# KiCad board SparkFun_RTK_Facet_mosaic_panelized.kicad_pcb (continued)
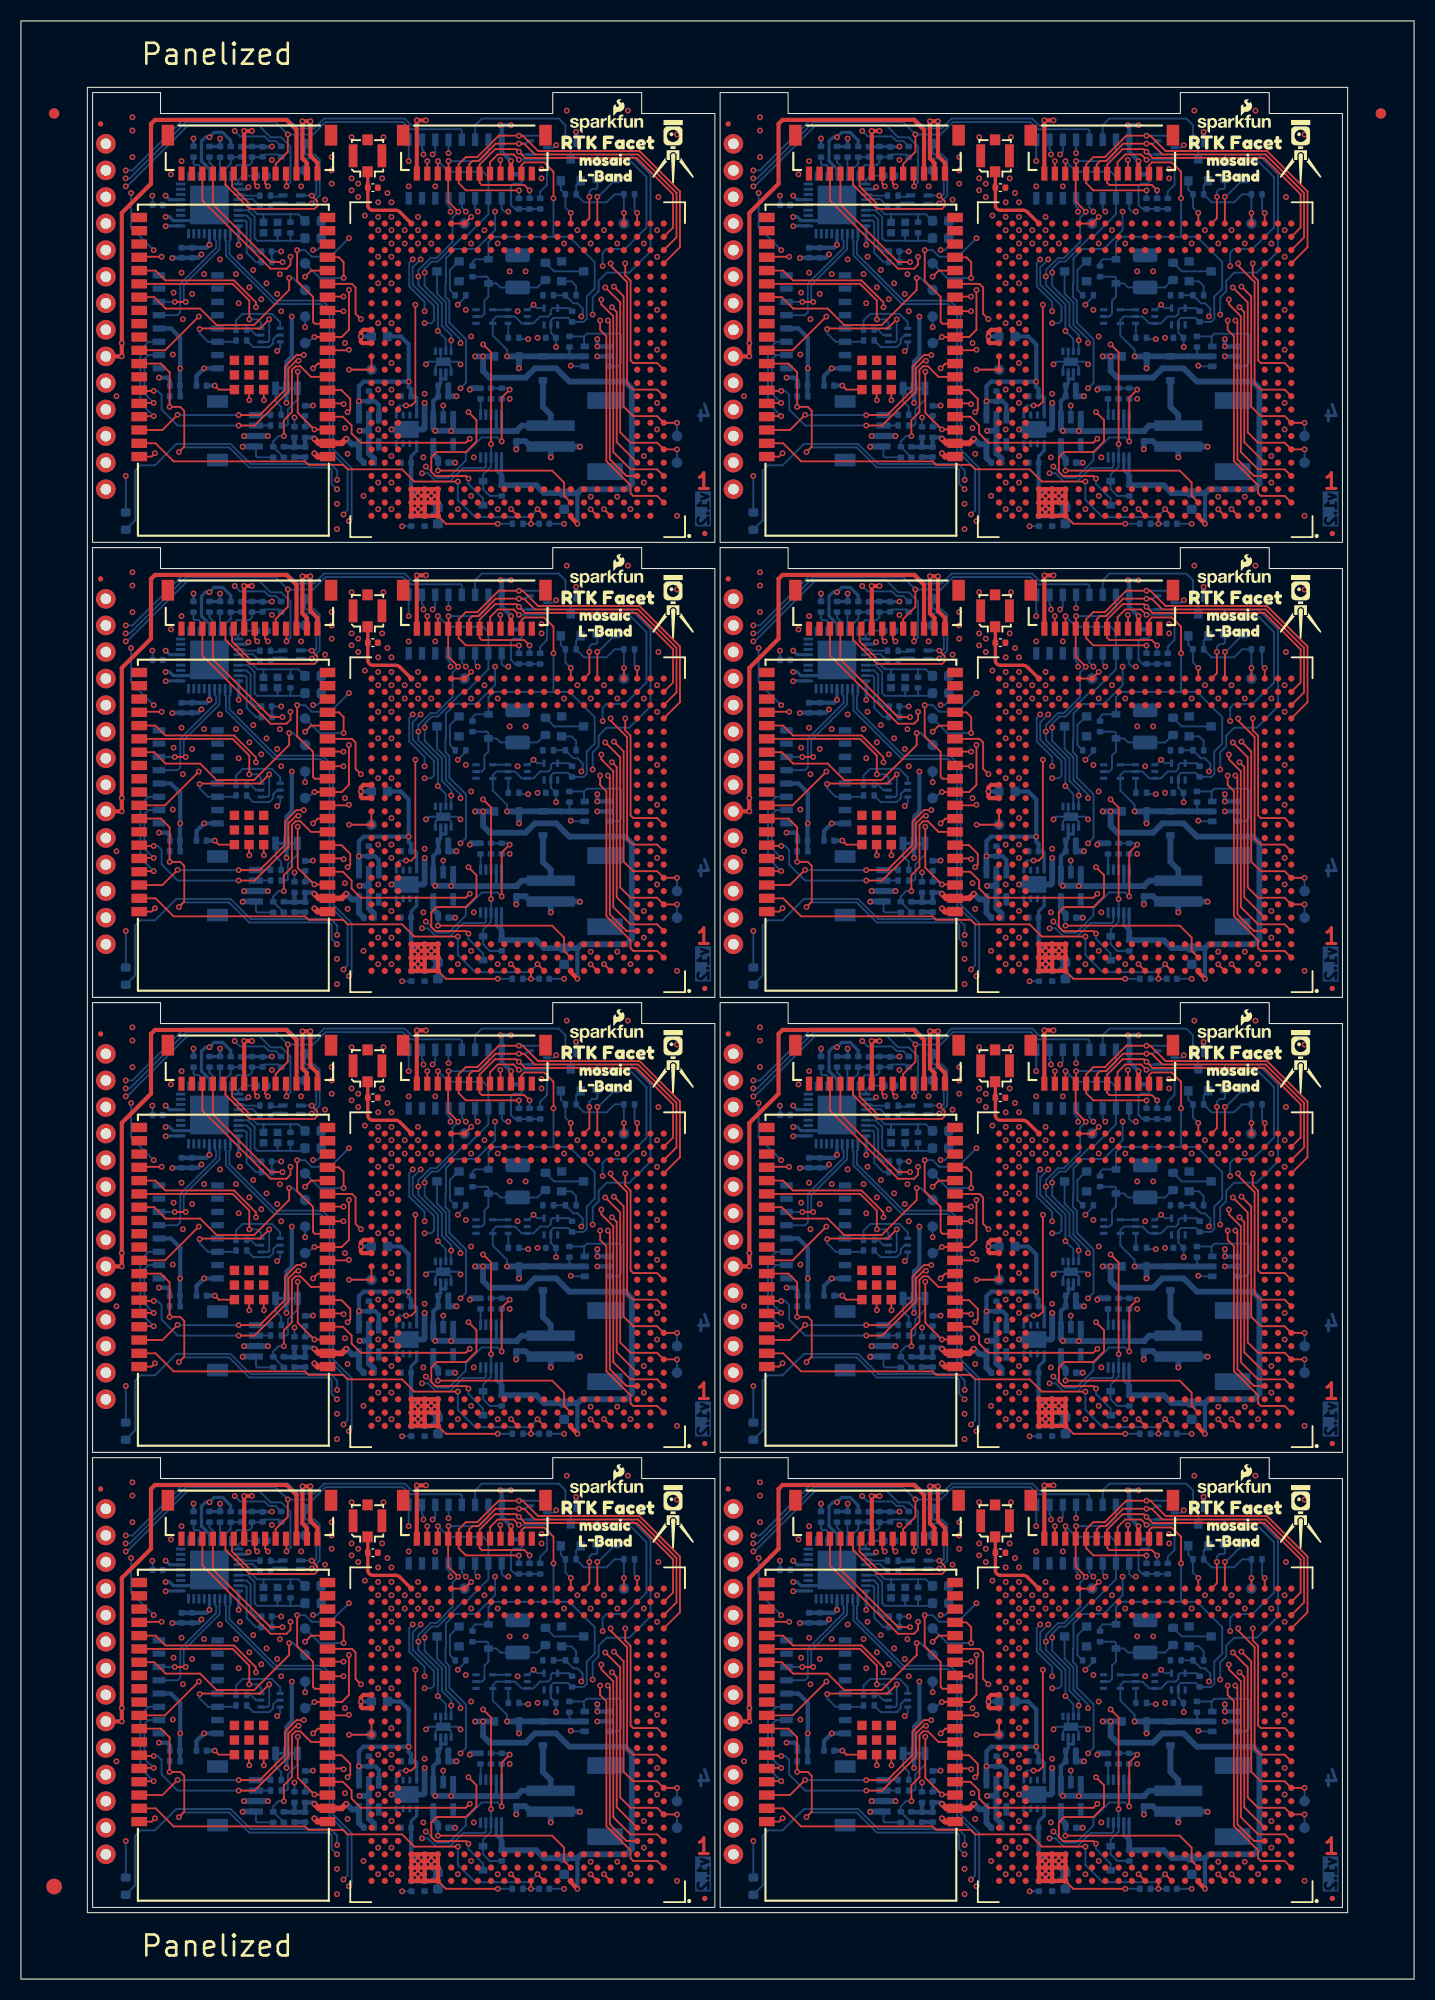
[diagram p0: board, top side]
## Routing (per net, layer and track width the routed paths; a pad name or vN(x,y) marks a point on that pad's centre or on a via; arc(x,y) is an arc through that point) (continued)
  Bottom w0.559: v1(81.33,60.51) 81.34,60.52 J3.2 83.61,60.52 v1(83.61,60.51) ; v1(23.61,60.51) 23.61,60.52 J3#3.2 21.34,60.52 v1(21.33,60.51) ; v1(83.61,17.01) 83.61,17.02 J3#2.2 81.34,17.02 v1(81.33,17.01) ; v1(81.33,104.01) 81.34,104.02 J3#5.2 83.61,104.02 v1(83.61,104.01) ; v1(83.61,147.51) 83.61,147.52 J3#6.2 81.34,147.52 v1(81.33,147.51) ; v1(21.33,104.01) 21.34,104.02 J3#4.2 23.61,104.02 v1(23.61,104.01) ; v1(21.33,147.51) 21.34,147.52 J3#8.2 23.61,147.52 v1(23.61,147.51) ; v1(23.61,17.01) 23.61,17.02 J3#7.2 21.34,17.02 v1(21.33,17.01)
GND: length 612.8
  Top w0.178: U1#2.38 72.5,58.55 v1(72.82,58.87) ; U1#3.15 27.75,76.33 v1(27.17,75.75) ; U1#4.39.1 23.21,150.96 v1(23.23,150.94) ; U1#5.39.1 83.21,20.46 v1(83.23,20.44) ; U1#3.39.7 18.92,64.95 v1(18.53,65.34) ; v1(18.53,152.34) 18.92,151.95 U1#4.39.7 ; v1(81.84,20.44) 81.81,20.46 U1#5.39.8 ; v1(12.82,58.87) 12.5,58.55 U1#3.38 ; v1(81.84,150.94) 81.81,150.96 U1#8.39.8 ; v1(23.23,63.94) 23.21,63.96 U1#3.39.1 ; v1(87.17,119.25) 87.75,119.83 U1#6.15 ; v1(23.23,107.44) 23.21,107.46 U1.39.1 ; U1#2.39.1 83.21,63.96 v1(83.23,63.94) ; U1#6.39.8 81.81,107.46 v1(81.84,107.44) ; U1.38 12.5,102.05 v1(12.82,102.37) ; U1#4.15 27.75,163.33 v1(27.17,162.75) ; U1#7.39.8 21.81,20.46 v1(21.84,20.44) ; v1(72.82,15.37) 72.5,15.05 U1#5.38 ; U1#8.39.7 78.92,151.95 v1(78.53,152.34) ; v1(27.17,119.25) 27.75,119.83 U1.15 ; v1(18.53,21.84) 18.92,21.45 U1#7.39.7 ; U1#8.39.1 83.21,150.96 v1(83.23,150.94) ; v1(81.84,63.94) 81.81,63.96 U1#2.39.8 ; v1(87.17,75.75) 87.75,76.33 U1#2.15 ; v1(18.53,108.84) 18.92,108.45 U1.39.7 ; v1(87.17,162.75) 87.75,163.33 U1#8.15 ; U1#2.39.7 78.92,64.95 v1(78.53,65.34) ; v1(83.23,107.44) 83.21,107.46 U1#6.39.1 ; v1(78.53,21.84) 78.92,21.45 U1#5.39.7 ; v1(87.17,32.25) 87.75,32.83 U1#5.15 ; v1(72.82,145.87) 72.5,145.55 U1#8.38 ; U1#4.39.8 21.81,150.96 v1(21.84,150.94) ; U1#4.38 12.5,145.55 v1(12.82,145.87) ; v1(78.53,108.84) 78.92,108.45 U1#6.39.7 ; v1(27.17,32.25) 27.75,32.83 U1#7.15 ; v1(12.82,15.37) 12.5,15.05 U1#7.38 ; v1(21.84,107.44) 21.81,107.46 U1.39.8 ; U1#3.39.8 21.81,63.96 v1(21.84,63.94) ; U1#6.38 72.5,102.05 v1(72.82,102.37) ; v1(23.23,20.44) 23.21,20.46 U1#7.39.1
  Top w0.559: U1#4.1 28.37,145.55 v1(28.06,145.86) ; U1#3.1 28.37,58.55 v1(28.06,58.86) ; U1#2.1 88.37,58.55 v1(88.06,58.86) ; v1(88.06,102.36) 88.37,102.05 U1#6.1 ; v1(88.06,15.36) 88.37,15.05 U1#5.1 ; U1#7.1 28.37,15.05 v1(28.06,15.36) ; v1(88.06,145.86) 88.37,145.55 U1#8.1 ; v1(28.06,102.36) 28.37,102.05 U1.1
  Bottom w0.178: U4#7.9 100.09,24.12 99.63,23.66 U4#7.4 ; U4#7.9 98.98,24.12 v1(98.73,23.87) ; U4#7.9 101.78,24.12 v1(102.03,23.87) ; U4#7.9 100.67,24.12 101.13,23.66 U4#7.1 ; U4#7.9 100.13,24.37 U4#7.6 ; v1(84.88,78.16) C13#2.2 84,78.13 R17#2.1 ; U4#4.9 40.67,67.62 41.13,67.16 U4#4.1 ; U4#4.9 38.98,67.62 v1(38.73,67.37) ; U4#4.9 41.78,67.62 v1(42.03,67.37) ; U4#4.9 40.13,67.87 U4#4.6 ; U4#4.9 40.09,67.62 39.63,67.16 U4#4.4 ; v1(36.44,8.39) 36.46,8.4 C27.2 ; v1(42.03,154.37) 41.78,154.62 U4#6.9 ; U4#8.9 40.13,24.37 U4#8.6 ; U4#8.9 40.67,24.12 41.13,23.66 U4#8.1 ; U4#8.9 40.09,24.12 39.63,23.66 U4#8.4 ; U4#8.9 41.78,24.12 v1(42.03,23.87) ; U4#8.9 38.98,24.12 v1(38.73,23.87) ; D2#8.2 50.94,44.58 v1(51.18,44.82) ; R8#5.2 22.6,14.98 22.47,15.1 J3#7.1 ; J3#6.1 82.47,145.6 82.6,145.48 R8#8.2 ; v1(51.18,175.32) 50.94,175.08 D2#3.2 ; v1(72.56,83.5) 72.59,83.47 C12#8.2 ; U4#5.9 41.78,111.12 v1(42.03,110.87) ; U4#5.9 40.09,111.12 39.63,110.66 U4#5.4 ; U4#5.9 40.67,111.12 41.13,110.66 U4#5.1 ; U4#5.9 40.13,111.37 U4#5.6 ; U4#5.9 38.98,111.12 v1(38.73,110.87) ; J3#5.1 82.47,102.1 82.6,101.98 R8.2 ; v1(111.18,131.82) 110.94,131.58 D2#5.2 ; R17.1 24,165.13 C13#3.2 v1(24.88,165.16) ; U4#3.9 100.09,154.62 99.63,154.16 U4#3.4 ; U4#3.9 100.67,154.62 101.13,154.16 U4#3.1 ; U4#3.9 98.98,154.62 v1(98.73,154.37) ; U4#3.9 101.78,154.62 v1(102.03,154.37) ; U4#3.9 100.13,154.87 U4#3.6 ; v1(10.03,13.2) R30.1 ; v1(84.88,34.66) C13#7.2 84,34.63 R17#5.1 ; J3#2.1 82.47,15.1 82.6,14.98 R8#2.2 ; U4#6.9 40.13,154.87 U4#6.6 ; U4#6.9 40.67,154.62 41.13,154.16 U4#6.1 ; U4#6.9 38.98,154.62 v1(38.73,154.37) ; U4#6.9 40.09,154.62 39.63,154.16 U4#6.4 ; U4.9 98.98,67.62 v1(98.73,67.37) ; U4.9 100.09,67.62 99.63,67.16 U4.4 ; U4.9 100.67,67.62 101.13,67.16 U4.1 ; U4.9 100.13,67.87 U4.6 ; U4.9 101.78,67.62 v1(102.03,67.37) ; v1(102.03,110.87) 101.78,111.12 U4#2.9 ; U12#3.2 v1(40.38,63.43) ; R30#5.1 v1(70.03,13.2) ; U12#4.2 v1(100.38,106.93) ; 28.71,37.58 28.71,35.18 28.33,34.8 v1(27.93,34.8) ; C3#6.2 v1(51.94,95.63) ; R30#8.1 v1(70.03,143.7) ; D2#4.2 110.94,88.08 v1(111.18,88.32) ; v1(70.03,56.7) 70.03,53.21 ; R8#7.2 22.6,58.48 22.47,58.61 J3#3.1 ; R17#7.1 84,165.13 C13#6.2 v1(84.88,165.16) ; U4#2.4 99.63,110.66 100.09,111.12 U4#2.9 ; U12#6.2 v1(100.38,19.93) ; v1(96.44,138.89) 96.46,138.9 C27#6.2 ; v1(72.56,127) 72.59,126.97 C12#7.2 ; C15#8.2 C14#4.2 88.71,78.68 88.33,78.3 v1(87.93,78.3) ; v1(12.56,170.5) 12.59,170.47 12.59,169.61 ; v1(12.56,83.5) 12.59,83.47 12.59,82.61 ; U4#2.9 100.67,111.12 101.13,110.66 U4#2.1 ; U4#2.9 100.13,111.37 U4#2.6 ; U4#2.9 98.98,111.12 v1(98.73,110.87) ; D2#2.2 110.94,175.08 v1(111.18,175.32) ; R17#4.1 24,34.63 C13#4.2 v1(24.88,34.66) ; U12#5.2 v1(40.38,19.93) ; C3#7.2 v1(111.94,95.63) ; D2#6.2 110.94,44.58 v1(111.18,44.82) ; v1(27.93,78.3) 28.33,78.3 28.71,78.68 28.71,81.08 ; v1(27.93,121.8) 28.33,121.8 28.71,122.18 28.71,124.58 ; v1(96.44,51.89) 96.46,51.9 C27#8.2 ; R17#6.1 84,121.63 C13#8.2 v1(84.88,121.66) ; C15#4.2 C14.2 88.71,165.68 88.33,165.3 v1(87.93,165.3) ; v1(12.56,40) 12.59,39.97 12.59,39.11 ; D2#7.2 50.94,131.58 v1(51.18,131.82) ; D2.2 50.94,88.08 v1(51.18,88.32) ; R17#3.1 24,121.63 C13.2 v1(24.88,121.66) ; 12.59,126.11 12.59,126.97 v1(12.56,127) ; v1(96.44,8.39) 96.46,8.4 C27#4.2 ; v1(36.44,95.39) 36.46,95.4 C27#3.2 ; J3#8.1 22.47,145.6 22.6,145.48 R8#6.2 ; v1(87.93,121.8) 88.33,121.8 88.71,122.18 C14#7.2 C15#7.2 ; C3#8.2 v1(111.94,52.13) ; 10.03,53.21 v1(10.03,56.7) ; R17#8.1 24,78.13 C13#5.2 v1(24.88,78.16) ; R8#4.2 82.6,58.48 82.47,58.61 J3.1 ; U12.2 v1(100.38,150.43) ; C3#5.2 v1(51.94,8.63) ; C27#5.2 36.46,51.9 v1(36.44,51.89) ; U12#7.2 v1(100.38,63.43) ; v1(87.93,34.8) 88.33,34.8 88.71,35.18 C14#5.2 C15#6.2 ; C12#4.2 72.59,39.97 v1(72.56,40) ; v1(10.03,100.2) R30#6.1 ; U12#2.2 v1(40.38,106.93) ; R30#3.1 v1(10.03,143.7) ; C3#2.2 v1(111.94,139.13) ; v1(70.03,100.2) R30#7.1 ; v1(36.44,138.89) 36.46,138.9 C27#2.2 ; v1(72.56,170.5) 72.59,170.47 C12#6.2 ; v1(96.44,95.39) 96.46,95.4 C27#7.2 ; J3#4.1 22.47,102.1 22.6,101.98 R8#3.2 ; C3#3.2 v1(111.94,8.63) ; C3#4.2 v1(51.94,52.13) ; 28.71,168.08 28.71,165.68 28.33,165.3 v1(27.93,165.3) ; C3.2 v1(51.94,139.13) ; U12#8.2 v1(40.38,150.43)
  Bottom w0.305: C11#6.2 22.06,175.17 R20#5.2 23.08,175.2 C10#2.2 23.97,175.17 v1(24,175.2) ; U9#3.EP 16.53,81.11 U9#3.11 14.57,81.11 14.22,81.47 v1(13.83,81.47) ; v1(84,44.7) 83.97,44.67 C10#5.2 83.08,44.7 R20#4.2 82.06,44.67 C11#5.2 ; R14.2 v1(16.5,45.46) ; R14#4.2 v1(16.5,88.96) ; R15.2 R24.2 v1(79.04,175.96) ; v1(19.04,132.46) R24#4.2 R15#2.2 ; v1(13.83,168.47) 14.22,168.47 14.57,168.11 U9.11 16.53,168.11 U9.EP ; R15#3.2 R24#5.2 v1(19.04,45.46) ; R15#5.2 R24#7.2 v1(79.04,45.46) ; v1(19.04,175.96) R24#2.2 R15#7.2 ; v1(73.84,168.47) 74.22,168.47 74.57,168.11 U9#8.11 76.53,168.11 U9#8.EP ; C11#2.2 22.06,131.67 R20#3.2 23.08,131.7 C10#8.2 23.97,131.67 v1(24,131.7) ; v1(84,131.7) 83.97,131.67 C10#7.2 83.08,131.7 R20#2.2 82.06,131.67 C11.2 ; v1(13.83,37.97) 14.22,37.97 14.57,37.61 U9#7.11 16.53,37.61 U9#7.EP ; v1(24,88.2) 23.97,88.17 C10#3.2 23.08,88.2 R20#7.2 22.06,88.17 C11#4.2 ; R14#2.2 v1(16.5,175.96) ; R14#5.2 v1(76.5,175.96) ; U9#6.EP 76.53,124.61 U9#6.11 74.57,124.61 74.22,124.97 v1(73.84,124.97) ; v1(79.04,88.96) R24#3.2 R15#8.2 ; U9#5.EP 76.53,81.11 U9#5.11 74.57,81.11 74.22,81.47 v1(73.84,81.47) ; v1(79.04,132.46) R24#6.2 R15#4.2 ; U9#4.EP 16.53,124.61 U9#4.11 14.57,124.61 14.22,124.97 v1(13.83,124.97) ; R14#7.2 v1(16.5,132.46) ; v1(24,44.7) 23.97,44.67 C10#6.2 23.08,44.7 R20#8.2 22.06,44.67 C11#3.2 ; R14#8.2 v1(76.5,45.46) ; C11#8.2 82.06,88.17 R20.2 83.08,88.2 C10.2 83.97,88.17 v1(84,88.2) ; R15#6.2 R24#8.2 v1(19.04,88.96) ; C11#7.2 82.06,175.17 R20#6.2 83.08,175.2 C10#4.2 83.97,175.17 v1(84,175.2) ; v1(73.84,37.97) 74.22,37.97 74.57,37.61 U9#2.11 76.53,37.61 U9#2.EP ; R14#6.2 v1(76.5,88.96) ; R14#3.2 v1(76.5,132.46)
  Bottom w0.406: v1(73.2,66.1) 73.96,66.1 74.24,65.82 C4#7.2 ; Q2#2.5 v1(115.11,68.13) ; C4#6.2 14.24,65.82 13.96,66.1 v1(13.2,66.1) ; Q2#8.5 v1(55.11,24.63) ; C8#2.2 27.9,150.4 v1(27.93,150.43) ; C2#3.2 C1#5.2 ; v1(27.93,19.93) 27.9,19.9 C8.2 ; v1(87.93,19.93) 87.9,19.9 C8#5.2 ; v1(17.26,77.88) 16.94,77.56 C30#8.2 C9#2.2 14.5,77.56 v1(14.47,77.53) ; v1(17.26,121.38) 16.94,121.06 C30#7.2 C9#6.2 14.5,121.06 v1(14.47,121.03) ; v1(77.26,77.88) 76.94,77.56 C30#6.2 C9#3.2 74.5,77.56 v1(74.47,77.53) ; v1(87.93,63.43) 87.9,63.4 C8#3.2 ; C5#4.2 v1(78.53,108.84) ; v1(13.2,22.6) 13.96,22.6 14.24,22.32 C4#3.2 ; C8#8.2 87.9,106.9 v1(87.93,106.93) ; C2#2.2 C1#7.2 ; C5.2 v1(18.53,152.34) ; v1(77.26,164.88) 76.94,164.56 C30#5.2 C9#4.2 74.5,164.56 v1(74.47,164.53) ; C8#6.2 27.9,63.4 v1(27.93,63.43) ; C2#7.2 C1#6.2 ; C5#3.2 v1(78.53,152.34) ; C8#7.2 87.9,150.4 v1(87.93,150.43) ; C2.2 C1.2 ; Q2#6.5 v1(115.11,155.13) ; v1(73.2,153.1) 73.96,153.1 74.24,152.82 C4#5.2 ; C4#2.2 14.24,109.32 13.96,109.6 v1(13.2,109.6) ; C2#5.2 C1#2.2 ; Q2.5 v1(115.11,24.63) ; C2#4.2 C1#8.2 ; C5#7.2 v1(18.53,65.34) ; Q2#7.5 v1(55.11,155.13) ; C5#2.2 v1(78.53,65.34) ; C5#8.2 v1(18.53,21.84) ; Q2#3.5 v1(55.11,68.13) ; v1(74.47,121.03) 74.5,121.06 C9.2 C30#2.2 76.94,121.06 v1(77.26,121.38) ; C2#6.2 C1#4.2 ; v1(74.47,34.03) 74.5,34.06 C9#5.2 C30.2 76.94,34.06 v1(77.26,34.38) ; v1(73.2,22.6) 73.96,22.6 74.24,22.32 C4#8.2 ; v1(17.26,34.38) 16.94,34.06 C30#3.2 C9#7.2 14.5,34.06 v1(14.47,34.03) ; Q2#5.5 v1(55.11,111.63) ; C5#6.2 v1(18.53,108.84) ; C4.2 14.24,152.82 13.96,153.1 v1(13.2,153.1) ; v1(73.2,109.6) 73.96,109.6 74.24,109.32 C4#4.2 ; Q2#4.5 v1(115.11,111.63) ; v1(14.47,164.53) 14.5,164.56 C9#8.2 C30#4.2 16.94,164.56 v1(17.26,164.88) ; C2#8.2 C1#3.2 ; C8#4.2 27.9,106.9 v1(27.93,106.93) ; C5#5.2 v1(78.53,21.84)
  Bottom w0.559: v1(21.2,59.49) 21.22,59.52 J3#3.1 ; J3.1 81.22,59.52 v1(81.2,59.49) ; 93.27,61.02 v1(92.38,61.02) ; 93.27,61.02 U11#5.2 ; 93.27,61.02 93.27,58.86 93.75,58.38 C23#7.2 ; v1(35.43,148.15) U7#4.9 38.47,148.15 38.6,148.27 v1(38.6,150.69) ; J2#4.1 108.74,59.51 108.22,60.03 C16#4.2 v1(107.36,59.24) ; J2#4.1 110.65,58.49 v1(110.66,58.48) ; J2#4.1 113.44,59.51 v1(113.46,59.49) ; J3#4.1 21.22,103.02 v1(21.2,102.99) ; 33.27,61.02 v1(32.38,61.02) ; 33.27,61.02 U11#7.2 ; 33.27,61.02 33.27,58.86 33.75,58.38 C23#5.2 ; 93.27,148.02 U11#8.2 ; 93.27,148.02 v1(92.38,148.02) ; 93.27,148.02 93.27,145.86 93.75,145.38 C23#3.2 ; J2#8.1 50.65,14.99 v1(50.66,14.98) ; J2#8.1 53.44,16.01 v1(53.46,15.99) ; J2#8.1 48.74,16.01 48.22,16.53 C16#5.2 v1(47.36,15.74) ; v1(110.66,145.48) 110.65,145.49 J2.1 ; v1(50.66,145.48) 50.65,145.49 J2#7.1 ; v1(102.92,21.46) 103.05,21.58 R32#5.2 ; C6#7.2 C24#5.2 v1(41.65,151.32) ; v1(107.36,102.74) C16#3.2 108.22,103.53 108.74,103.01 J2#6.1 ; v1(47.36,59.24) C16#7.2 48.22,60.03 48.74,59.51 J2#2.1 ; v1(38.6,107.19) 38.6,104.77 38.47,104.65 U7#3.9 v1(35.43,104.65) ; C6#4.2 C24#2.2 v1(101.65,64.32) ; J2#7.1 48.74,146.51 48.22,147.03 C16#8.2 v1(47.36,146.24) ; J2#7.1 53.44,146.51 v1(53.46,146.49) ; J2#5.1 50.65,101.99 v1(50.66,101.98) ; J2#5.1 53.44,103.01 v1(53.46,102.99) ; J2#5.1 48.74,103.01 48.22,103.53 C16#2.2 v1(47.36,102.74) ; C23#2.2 93.75,14.88 93.27,15.36 93.27,17.52 ; v1(95.43,61.14) U7#7.9 98.47,61.14 98.6,61.27 v1(98.6,63.69) ; J2.1 113.44,146.51 v1(113.46,146.49) ; J2.1 108.74,146.51 108.22,147.03 C16.2 v1(107.36,146.24) ; J2#6.1 110.65,101.99 v1(110.66,101.98) ; J2#6.1 113.44,103.01 v1(113.46,102.99) ; C25#5.2 v1(101.52,101.47) ; J2#2.1 53.44,59.51 v1(53.46,59.49) ; J2#2.1 50.65,58.49 v1(50.66,58.48) ; 93.27,104.52 v1(92.38,104.52) ; 93.27,104.52 93.27,102.36 93.75,101.88 C23#6.2 ; 93.27,104.52 U11#4.2 ; v1(95.43,17.65) U7#8.9 98.47,17.65 98.6,17.77 v1(98.6,20.19) ; C6#2.2 C24#6.2 v1(101.65,151.32) ; v1(102.92,108.45) 103.05,108.58 R32#8.2 ; C25.2 v1(101.52,14.47) ; 33.27,148.02 33.27,145.86 33.75,145.38 C23#8.2 ; 33.27,148.02 v1(32.38,148.02) ; 33.27,148.02 U11#6.2 ; v1(81.2,146.49) 81.22,146.52 J3#6.1 ; 93.27,17.52 U11#2.2 ; 93.27,17.52 v1(92.38,17.52) ; v1(110.66,14.98) 110.65,14.99 J2#3.1 ; C6#3.2 C24#8.2 v1(41.65,64.32) ; 33.27,104.52 v1(32.38,104.52) ; 33.27,104.52 33.27,102.36 33.75,101.88 C23#4.2 ; 33.27,104.52 U11#3.2 ; R32#7.2 103.05,152.08 v1(102.92,151.96) ; J3#8.1 21.22,146.52 v1(21.2,146.49) ; C6#5.2 C24.2 v1(41.65,107.82) ; R32#6.2 103.05,65.08 v1(102.92,64.95) ; v1(41.65,20.82) C24#7.2 C6#8.2 ; C25#7.2 v1(101.52,144.97) ; R32#3.2 43.05,108.58 v1(42.92,108.45) ; J2#3.1 113.44,16.01 v1(113.46,15.99) ; J2#3.1 108.74,16.01 108.22,16.53 C16#6.2 v1(107.36,15.74) ; R32.2 43.05,65.08 v1(42.92,64.95) ; R32#4.2 43.05,21.58 v1(42.92,21.46) ; C6#6.2 C24#3.2 v1(101.65,20.82) ; C25#4.2 v1(41.52,144.97) ; v1(35.43,17.65) U7#6.9 38.47,17.65 38.6,17.77 v1(38.6,20.19) ; C25#3.2 v1(41.52,57.97) ; C25#2.2 v1(101.52,57.97) ; J3#7.1 21.22,16.02 v1(21.2,15.99) ; v1(98.6,107.19) 98.6,104.77 98.47,104.65 U7.9 v1(95.43,104.65) ; R32#2.2 43.05,152.08 v1(42.92,151.96) ; 33.27,17.52 33.27,15.36 33.75,14.88 C23.2 ; 33.27,17.52 v1(32.38,17.52) ; 33.27,17.52 U11.2 ; J3#2.1 81.22,16.02 v1(81.2,15.99) ; C25#8.2 v1(41.52,101.47) ; J3#5.1 81.22,103.02 v1(81.2,102.99) ; v1(95.43,148.15) U7#2.9 98.47,148.15 98.6,148.27 v1(98.6,150.69) ; C6.2 C24#4.2 v1(101.65,107.82) ; v1(38.6,63.69) 38.6,61.27 38.47,61.14 U7#5.9 v1(35.43,61.14) ; C25#6.2 v1(41.52,14.47)
  vias: v1(9.14,151.32) v1(9.14,107.82) v1(9.14,64.32) v1(9.14,20.82) v1(10.66,177.99) v1(10.66,176.72) v1(10.66,174.18) v1(10.66,134.49) v1(10.66,133.22) v1(10.66,130.68) v1(10.66,90.99) v1(10.66,89.72) v1(10.66,87.18) v1(10.66,47.49) v1(10.66,46.22) v1(10.66,43.68) v1(14.34,172.53) v1(14.34,129.03) v1(14.34,85.53) v1(14.34,42.03) v1(14.6,161.23) v1(14.52,155.31) v1(14.6,117.73) v1(14.52,111.81) v1(14.6,74.23) v1(14.52,68.31) v1(14.6,30.73) v1(14.52,24.81) v1(15.36,173.8) v1(15.36,163.13) v1(15.36,130.3) v1(15.36,119.63) v1(15.36,86.8) v1(15.36,76.13) v1(15.36,43.3) v1(15.36,32.63) v1(15.49,158.69) v1(15.49,115.19) v1(15.49,71.69) v1(15.49,28.19) v1(16.38,161.1) v1(16.38,117.6) v1(16.38,74.1) v1(16.38,30.6) v1(17.52,163) v1(17.52,119.5) v1(17.52,76) v1(17.52,32.5) v1(19.04,164.4) v1(19.04,120.9) v1(19.04,77.4) v1(19.04,33.9) v1(20.57,163) v1(20.57,119.5) v1(20.57,76) v1(20.57,32.5) v1(20.82,160.21) v1(20.82,116.71) v1(20.82,73.21) v1(20.82,29.71) v1(20.95,164.66) v1(20.95,121.16) v1(20.95,77.66) v1(20.95,34.16) v1(21.84,161.73) v1(21.84,118.23) v1(21.84,74.73) v1(21.84,31.23) v1(22.22,163.38) v1(22.22,119.88) v1(22.22,76.39) v1(22.22,32.89) v1(22.98,160.59) v1(22.98,117.09) v1(22.98,73.59) v1(22.98,30.09) v1(23.49,162.12) v1(23.49,118.62) v1(23.49,75.11) v1(23.49,31.61) v1(24,173.91) v1(24,130.41) v1(24,86.91) v1(24,43.41) v1(24.5,161.1) v1(24.5,117.6) v1(24.5,74.1) v1(24.5,30.6) v1(24.76,162.99) v1(24.76,119.49) v1(24.76,75.99) v1(24.76,32.49) v1(24.88,159.45) v1(24.88,115.95) v1(24.88,72.45) v1(24.88,28.95) v1(26.79,171.39) v1(26.79,127.89) v1(26.79,84.39) v1(26.79,40.89) v1(29.08,170.12) v1(29.08,126.62) v1(29.08,83.12) v1(29.08,39.62) v1(29.71,174.18) v1(29.71,172.91) v1(29.71,171.64) v1(29.71,130.68) v1(29.71,129.41) v1(29.71,128.14) v1(29.71,87.18) v1(29.71,85.91) v1(29.71,84.64) v1(29.71,43.68) v1(29.71,42.41) v1(29.71,41.14) v1(30.22,141.03) v1(30.22,138.62) v1(30.22,97.53) v1(30.22,95.12) v1(30.22,54.03) v1(30.22,51.62) v1(30.22,10.53) v1(30.22,8.12) v1(30.98,156.4) v1(30.98,148.27) v1(30.98,112.9) v1(30.98,104.77) v1(30.98,69.4) v1(30.98,61.27) v1(30.98,25.9) v1(30.98,17.77) v1(31.23,145.81) v1(31.23,102.31) v1(31.23,58.81) v1(31.23,15.31) v1(31.61,176.09) v1(31.61,172.15) v1(31.61,171) v1(31.61,132.59) v1(31.61,128.65) v1(31.61,127.5) v1(31.61,89.08) v1(31.61,85.15) v1(31.61,84) v1(31.61,45.58) v1(31.61,41.65) v1(31.61,40.5) v1(32.25,171.64) v1(32.25,170.37) v1(32.25,128.14) v1(32.25,126.87) v1(32.25,84.64) v1(32.25,83.37) v1(32.25,41.14) v1(32.25,39.87) v1(32.76,141.8) v1(32.76,98.3) v1(32.76,54.8) v1(32.76,11.29) v1(32.89,168.59) v1(32.89,125.09) v1(32.89,81.59) v1(32.89,38.09) v1(34.16,169.86) v1(34.16,168.47) v1(34.16,167.19) v1(34.16,164.66) v1(34.16,162.12) v1(34.16,158.31) v1(34.16,151.96) v1(34.16,148.15) v1(34.16,143.06) v1(34.16,140.53) v1(34.16,126.36) v1(34.16,124.97) v1(34.16,123.69) v1(34.16,121.16) v1(34.16,118.62) v1(34.16,114.81) v1(34.16,108.45) v1(34.16,104.65) v1(34.16,99.56) v1(34.16,97.03) v1(34.16,82.86) v1(34.16,81.47) v1(34.16,80.19) v1(34.16,77.66) v1(34.16,75.11) v1(34.16,71.31) v1(34.16,64.95) v1(34.16,61.14) v1(34.16,56.06) v1(34.16,53.53) v1(34.16,39.36) v1(34.16,37.97) v1(34.16,36.69) v1(34.16,34.16) v1(34.16,31.61) v1(34.16,27.81) v1(34.16,21.46) v1(34.16,17.65) v1(34.16,12.56) v1(34.16,10.03) v1(34.54,172.15) v1(34.54,128.65) v1(34.54,85.15) v1(34.54,41.65) v1(34.66,176.09) v1(34.66,132.59) v1(34.66,89.08) v1(34.66,45.58) v1(35.04,170.75) v1(35.04,127.25) v1(35.04,83.75) v1(35.04,40.25) v1(35.43,169.86) v1(35.43,168.47) v1(35.43,167.19) v1(35.43,165.93) v1(35.43,164.66) v1(35.43,162.12) v1(35.43,158.31) v1(35.43,154.5) v1(35.43,151.96) v1(35.43,150.69) v1(35.43,145.6) v1(35.43,143.06) v1(35.43,140.53) v1(35.43,126.36) v1(35.43,124.97) v1(35.43,123.69) v1(35.43,122.42) v1(35.43,121.16) v1(35.43,118.62) v1(35.43,114.81) v1(35.43,111) v1(35.43,108.45) v1(35.43,107.19) v1(35.43,102.1) v1(35.43,99.56) v1(35.43,97.03) v1(35.43,82.86) v1(35.43,81.47) v1(35.43,80.19) v1(35.43,78.92) v1(35.43,77.66) v1(35.43,75.11) v1(35.43,71.31) v1(35.43,67.5) v1(35.43,64.95) v1(35.43,63.69) v1(35.43,58.61) v1(35.43,56.06) v1(35.43,53.53) v1(35.43,39.36) v1(35.43,37.97) v1(35.43,36.69) v1(35.43,35.42) v1(35.43,34.16) v1(35.43,31.61) v1(35.43,27.81) v1(35.43,24) v1(35.43,21.46) v1(35.43,20.19) v1(35.43,15.1) v1(35.43,12.56) v1(35.43,10.03) v1(36.69,167.19) v1(36.69,165.93) v1(36.69,123.69) v1(36.69,122.42) v1(36.69,80.19) v1(36.69,78.92) v1(36.69,36.69) v1(36.69,35.42) v1(37.08,171.39) v1(37.08,127.89) v1(37.08,84.39) v1(37.08,40.89) v1(37.97,168.47) v1(37.97,167.19) v1(37.97,165.93) v1(37.97,124.97) v1(37.97,123.69) v1(37.97,122.42) v1(37.97,81.47) v1(37.97,80.19) v1(37.97,78.92) v1(37.97,37.97) v1(37.97,36.69) v1(37.97,35.42) v1(38.47,145.48) v1(38.47,101.98) v1(38.47,58.48) v1(38.47,14.98) v1(38.6,151.56) v1(38.6,108.06) v1(38.6,64.56) v1(38.6,21.06) v1(39.24,165.93) v1(39.24,122.42) v1(39.24,78.92) v1(39.24,35.42) v1(39.62,171.39) v1(39.62,127.89) v1(39.62,84.39) v1(39.62,40.89) v1(41.78,140.53) v1(41.78,97.03) v1(41.78,53.53) v1(41.78,10.03) v1(42.54,159.57) v1(42.54,116.08) v1(42.54,72.58) v1(42.54,29.07) v1(43.04,165.93) v1(43.04,157.03) v1(43.04,141.8) v1(43.04,122.42) v1(43.04,113.53) v1(43.04,98.3) v1(43.04,78.92) v1(43.04,70.03) v1(43.04,54.8) v1(43.04,35.42) v1(43.04,26.53) v1(43.04,11.29) v1(43.3,145.48) v1(43.3,101.98) v1(43.3,58.48) v1(43.3,14.98) v1(44.31,167.19) v1(44.31,123.69) v1(44.31,80.19) v1(44.31,36.69) v1(45.59,165.93) v1(45.59,140.53) v1(45.59,122.42) v1(45.59,97.03) v1(45.59,78.92) v1(45.59,53.53) v1(45.59,35.42) v1(45.59,10.03) v1(46.73,163.26) v1(46.73,151.07) v1(46.73,119.76) v1(46.73,107.57) v1(46.73,76.26) v1(46.73,64.07) v1(46.73,32.76) v1(46.73,20.57) v1(47.49,159.45) v1(47.49,115.95) v1(47.49,72.45) v1(47.49,28.95) v1(48.25,163.26) v1(48.25,119.76) v1(48.25,76.26) v1(48.25,32.76) v1(49.4,156.91) v1(49.4,113.41) v1(49.4,69.91) v1(49.4,26.41) v1(49.78,173.04) v1(49.78,172.15) v1(49.78,129.54) v1(49.78,128.65) v1(49.78,86.04) v1(49.78,85.15) v1(49.78,42.54) v1(49.78,41.65) v1(51.94,165.93) v1(51.94,122.42) v1(51.94,78.92) v1(51.94,35.42) v1(52.19,178.62) v1(52.19,135.12) v1(52.19,91.62) v1(52.19,48.12) v1(53.21,167.19) v1(53.21,123.69) v1(53.21,80.19) v1(53.21,36.69) v1(54.47,165.93) v1(54.47,141.72) v1(54.47,122.42) v1(54.47,98.22) v1(54.47,78.92) v1(54.47,54.72) v1(54.47,35.42) v1(54.47,11.22) v1(55.75,167.19) v1(55.75,123.69) v1(55.75,80.19) v1(55.75,36.69) v1(57.01,165.93) v1(57.01,141.72) v1(57.01,122.42) v1(57.01,98.22) v1(57.01,78.92) v1(57.01,54.72) v1(57.01,35.42) v1(57.01,11.22) v1(58.03,178.62) v1(58.03,135.12) v1(58.03,91.62) v1(58.03,48.12) v1(58.28,140.53) v1(58.28,97.03) v1(58.28,53.53) v1(58.28,10.03) v1(59.56,165.93) v1(59.56,145.6) v1(59.56,143.06) v1(59.56,122.42) v1(59.56,102.1) v1(59.56,99.56) v1(59.56,78.92) v1(59.56,58.61) v1(59.56,56.06) v1(59.56,35.42) v1(59.56,15.1) v1(59.56,12.56) v1(60.82,167.19) v1(60.82,164.66) v1(60.82,159.57) v1(60.82,155.76) v1(60.82,150.69) v1(60.82,148.15) v1(60.82,123.69) v1(60.82,121.16) v1(60.82,116.08) v1(60.82,112.27) v1(60.82,107.19) v1(60.82,104.65) v1(60.82,80.19) v1(60.82,77.66) v1(60.82,72.58) v1(60.82,68.77) v1(60.82,63.69) v1(60.82,61.14) v1(60.82,36.69) v1(60.82,34.16) v1(60.82,29.07) v1(60.82,25.26) v1(60.82,20.19) v1(60.82,17.65) v1(60.95,170.37) v1(60.95,126.87) v1(60.95,83.37) v1(60.95,39.87) v1(62.73,176.34) v1(62.73,139.89) v1(62.73,132.84) v1(62.73,96.39) v1(62.73,89.34) v1(62.73,52.89) v1(62.73,45.84) v1(62.73,9.39) v1(69.14,151.32) v1(69.14,107.82) v1(69.14,64.32) v1(69.14,20.82) v1(70.66,177.99) v1(70.66,176.72) v1(70.66,174.18) v1(70.66,134.49) v1(70.66,133.22) v1(70.66,130.68) v1(70.66,90.99) v1(70.66,89.72) v1(70.66,87.18) v1(70.66,47.49) v1(70.66,46.22) v1(70.66,43.68) v1(74.34,172.53) v1(74.34,129.03) v1(74.34,85.53) v1(74.34,42.03) v1(74.6,161.23) v1(74.52,155.31) v1(74.6,117.73) v1(74.52,111.81) v1(74.6,74.23) v1(74.52,68.31) v1(74.6,30.73) v1(74.52,24.81) v1(75.36,173.8) v1(75.36,163.13) v1(75.36,130.3) v1(75.36,119.63) v1(75.36,86.8) v1(75.36,76.13) v1(75.36,43.3) v1(75.36,32.63) v1(75.49,158.69) v1(75.49,115.19) v1(75.49,71.69) v1(75.49,28.19) v1(76.38,161.1) v1(76.38,117.6) v1(76.38,74.1) v1(76.38,30.6) v1(77.52,163) v1(77.52,119.5) v1(77.52,76) v1(77.52,32.5) v1(79.04,164.4) v1(79.04,120.9) v1(79.04,77.4) v1(79.04,33.9) v1(80.57,163) v1(80.57,119.5) v1(80.57,76) v1(80.57,32.5) v1(80.82,160.21) v1(80.82,116.71) v1(80.82,73.21) v1(80.82,29.71) v1(80.95,164.66) v1(80.95,121.16) v1(80.95,77.66) v1(80.95,34.16) v1(81.84,161.73) v1(81.84,118.23) v1(81.84,74.73) v1(81.84,31.23) v1(82.22,163.38) v1(82.22,119.88) v1(82.22,76.39) v1(82.22,32.89) v1(82.98,160.59) v1(82.98,117.09) v1(82.98,73.59) v1(82.98,30.09) v1(83.49,162.12) v1(83.49,118.62) v1(83.49,75.11) v1(83.49,31.61) v1(84,173.91) v1(84,130.41) v1(84,86.91) v1(84,43.41) v1(84.5,161.1) v1(84.5,117.6) v1(84.5,74.1) v1(84.5,30.6) v1(84.76,162.99) v1(84.76,119.49) v1(84.76,75.99) v1(84.76,32.49) v1(84.88,159.45) v1(84.88,115.95) v1(84.88,72.45) v1(84.88,28.95) v1(86.79,171.39) v1(86.79,127.89) v1(86.79,84.39) v1(86.79,40.89) v1(89.07,170.12) v1(89.07,126.62) v1(89.07,83.12) v1(89.07,39.62) v1(89.71,174.18) v1(89.71,172.91) v1(89.71,171.64) v1(89.71,130.68) v1(89.71,129.41) v1(89.71,128.14) v1(89.71,87.18) v1(89.71,85.91) v1(89.71,84.64) v1(89.71,43.68) v1(89.71,42.41) v1(89.71,41.14) v1(90.22,141.03) v1(90.22,138.62) v1(90.22,97.53) v1(90.22,95.12) v1(90.22,54.03) v1(90.22,51.62) v1(90.22,10.53) v1(90.22,8.12) v1(90.98,156.4) v1(90.98,148.27) v1(90.98,112.9) v1(90.98,104.77) v1(90.98,69.4) v1(90.98,61.27) v1(90.98,25.9) v1(90.98,17.77) v1(91.23,145.81) v1(91.23,102.31) v1(91.23,58.81) v1(91.23,15.31) v1(91.62,176.09) v1(91.62,172.15) v1(91.62,171) v1(91.62,132.59) v1(91.62,128.65) v1(91.62,127.5) v1(91.62,89.08) v1(91.62,85.15) v1(91.62,84) v1(91.62,45.58) v1(91.62,41.65) v1(91.62,40.5) v1(92.25,171.64) v1(92.25,170.37) v1(92.25,128.14) v1(92.25,126.87) v1(92.25,84.64) v1(92.25,83.37) v1(92.25,41.14) v1(92.25,39.87) v1(92.76,141.8) v1(92.76,98.3) v1(92.76,54.8) v1(92.76,11.29) v1(92.88,168.59) v1(92.88,125.09) v1(92.88,81.59) v1(92.88,38.09) v1(94.16,169.86) v1(94.16,168.47) v1(94.16,167.19) v1(94.16,164.66) v1(94.16,162.12) v1(94.16,158.31) v1(94.16,151.96) v1(94.16,148.15) v1(94.16,143.06) v1(94.16,140.53) v1(94.16,126.36) v1(94.16,124.97) v1(94.16,123.69) v1(94.16,121.16) v1(94.16,118.62) v1(94.16,114.81) v1(94.16,108.45) v1(94.16,104.65) v1(94.16,99.56) v1(94.16,97.03) v1(94.16,82.86) v1(94.16,81.47) v1(94.16,80.19) v1(94.16,77.66) v1(94.16,75.11) v1(94.16,71.31) v1(94.16,64.95) v1(94.16,61.14) v1(94.16,56.06) v1(94.16,53.53) v1(94.16,39.36) v1(94.16,37.97) v1(94.16,36.69) v1(94.16,34.16) v1(94.16,31.61) v1(94.16,27.81) v1(94.16,21.46) v1(94.16,17.65) v1(94.16,12.56) v1(94.16,10.03) v1(94.54,172.15) v1(94.54,128.65) v1(94.54,85.15) v1(94.54,41.65) v1(94.66,176.09) v1(94.66,132.59) v1(94.66,89.08) v1(94.66,45.58) v1(95.04,170.75) v1(95.04,127.25) v1(95.04,83.75) v1(95.04,40.25) v1(95.43,169.86) v1(95.43,168.47) v1(95.43,167.19) v1(95.43,165.93) v1(95.43,164.66) v1(95.43,162.12) v1(95.43,158.31) v1(95.43,154.5) v1(95.43,151.96) v1(95.43,150.69) v1(95.43,145.6) v1(95.43,143.06) v1(95.43,140.53) v1(95.43,126.36) v1(95.43,124.97) v1(95.43,123.69) v1(95.43,122.42) v1(95.43,121.16) v1(95.43,118.62) v1(95.43,114.81) v1(95.43,111) v1(95.43,108.45) v1(95.43,107.19) v1(95.43,102.1) v1(95.43,99.56) v1(95.43,97.03) v1(95.43,82.86) v1(95.43,81.47) v1(95.43,80.19) v1(95.43,78.92) v1(95.43,77.66) v1(95.43,75.11) v1(95.43,71.31) v1(95.43,67.5) v1(95.43,64.95) v1(95.43,63.69) v1(95.43,58.61) v1(95.43,56.06) v1(95.43,53.53) v1(95.43,39.36) v1(95.43,37.97) v1(95.43,36.69) v1(95.43,35.42) v1(95.43,34.16) v1(95.43,31.61) v1(95.43,27.81) v1(95.43,24) v1(95.43,21.46) v1(95.43,20.19) v1(95.43,15.1) v1(95.43,12.56) v1(95.43,10.03) v1(96.69,167.19) v1(96.69,165.93) v1(96.69,123.69) v1(96.69,122.42) v1(96.69,80.19) v1(96.69,78.92) v1(96.69,36.69) v1(96.69,35.42) v1(97.08,171.39) v1(97.08,127.89) v1(97.08,84.39) v1(97.08,40.89) v1(97.97,168.47) v1(97.97,167.19) v1(97.97,165.93) v1(97.97,124.97) v1(97.97,123.69) v1(97.97,122.42) v1(97.97,81.47) v1(97.97,80.19) v1(97.97,78.92) v1(97.97,37.97) v1(97.97,36.69) v1(97.97,35.42) v1(98.47,145.48) v1(98.47,101.98) v1(98.47,58.48) v1(98.47,14.98) v1(98.6,151.56) v1(98.6,108.06) v1(98.6,64.56) v1(98.6,21.06) v1(99.24,165.93) v1(99.24,122.42) v1(99.24,78.92) v1(99.24,35.42) v1(99.62,171.39) v1(99.62,127.89) v1(99.62,84.39) v1(99.62,40.89) v1(101.78,140.53) v1(101.78,97.03) v1(101.78,53.53) v1(101.78,10.03) v1(102.54,159.57) v1(102.54,116.08) v1(102.54,72.58) v1(102.54,29.07) v1(103.04,165.93) v1(103.04,157.03) v1(103.04,141.8) v1(103.04,122.42) v1(103.04,113.53) v1(103.04,98.3) v1(103.04,78.92) v1(103.04,70.03) v1(103.04,54.8) v1(103.04,35.42) v1(103.04,26.53) v1(103.04,11.29) v1(103.3,145.48) v1(103.3,101.98) v1(103.3,58.48) v1(103.3,14.98) v1(104.31,167.19) v1(104.31,123.69) v1(104.31,80.19) v1(104.31,36.69) v1(105.59,165.93) v1(105.59,140.53) v1(105.59,122.42) v1(105.59,97.03) v1(105.59,78.92) v1(105.59,53.53) v1(105.59,35.42) v1(105.59,10.03) v1(106.73,163.26) v1(106.73,151.07) v1(106.73,119.76) v1(106.73,107.57) v1(106.73,76.26) v1(106.73,64.07) v1(106.73,32.76) v1(106.73,20.57) v1(107.49,159.45) v1(107.49,115.95) v1(107.49,72.45) v1(107.49,28.95) v1(108.25,163.26) v1(108.25,119.76) v1(108.25,76.26) v1(108.25,32.76) v1(109.4,156.91) v1(109.4,113.41) v1(109.4,69.91) v1(109.4,26.41) v1(109.78,173.04) v1(109.78,172.15) v1(109.78,129.54) v1(109.78,128.65) v1(109.78,86.04) v1(109.78,85.15) v1(109.78,42.54) v1(109.78,41.65) v1(111.94,165.93) v1(111.94,122.42) v1(111.94,78.92) v1(111.94,35.42) v1(112.19,178.62) v1(112.19,135.12) v1(112.19,91.62) v1(112.19,48.12) v1(113.21,167.19) v1(113.21,123.69) v1(113.21,80.19) v1(113.21,36.69) v1(114.47,165.93) v1(114.47,141.72) v1(114.47,122.42) v1(114.47,98.22) v1(114.47,78.92) v1(114.47,54.72) v1(114.47,35.42) v1(114.47,11.22) v1(115.75,167.19) v1(115.75,123.69) v1(115.75,80.19) v1(115.75,36.69) v1(117.01,165.93) v1(117.01,141.72) v1(117.01,122.42) v1(117.01,98.22) v1(117.01,78.92) v1(117.01,54.72) v1(117.01,35.42) v1(117.01,11.22) v1(118.03,178.62) v1(118.03,135.12) v1(118.03,91.62) v1(118.03,48.12) v1(118.28,140.53) v1(118.28,97.03) v1(118.28,53.53) v1(118.28,10.03) v1(119.56,165.93) v1(119.56,145.6) v1(119.56,143.06) v1(119.56,122.42) v1(119.56,102.1) v1(119.56,99.56) v1(119.56,78.92) v1(119.56,58.61) v1(119.56,56.06) v1(119.56,35.42) v1(119.56,15.1) v1(119.56,12.56) v1(120.82,167.19) v1(120.82,164.66) v1(120.82,159.57) v1(120.82,155.76) v1(120.82,150.69) v1(120.82,148.15) v1(120.82,123.69) v1(120.82,121.16) v1(120.82,116.08) v1(120.82,112.27) v1(120.82,107.19) v1(120.82,104.65) v1(120.82,80.19) v1(120.82,77.66) v1(120.82,72.58) v1(120.82,68.77) v1(120.82,63.69) v1(120.82,61.14) v1(120.82,36.69) v1(120.82,34.16) v1(120.82,29.07) v1(120.82,25.26) v1(120.82,20.19) v1(120.82,17.65) v1(120.95,170.37) v1(120.95,126.87) v1(120.95,83.37) v1(120.95,39.87) v1(122.73,176.34) v1(122.73,139.89) v1(122.73,132.84) v1(122.73,96.39) v1(122.73,89.34) v1(122.73,52.89) v1(122.73,45.84) v1(122.73,9.39)
